# Altium PCB UZ_D_Encoder.PcbDoc (part 2 of 5)
Units mm, origin at the board's own origin, x right, y up, seen from the top; angles counter-clockwise.
Board outline 156.29 x 100 mm, 4 copper layers (Top Layer, GND, VCC, Bottom Layer), stack 0.778 mm thick; 526 components, 375 nets, 1809 pads, 592 vias.
Unrouted connection lines stored in the file: 1.
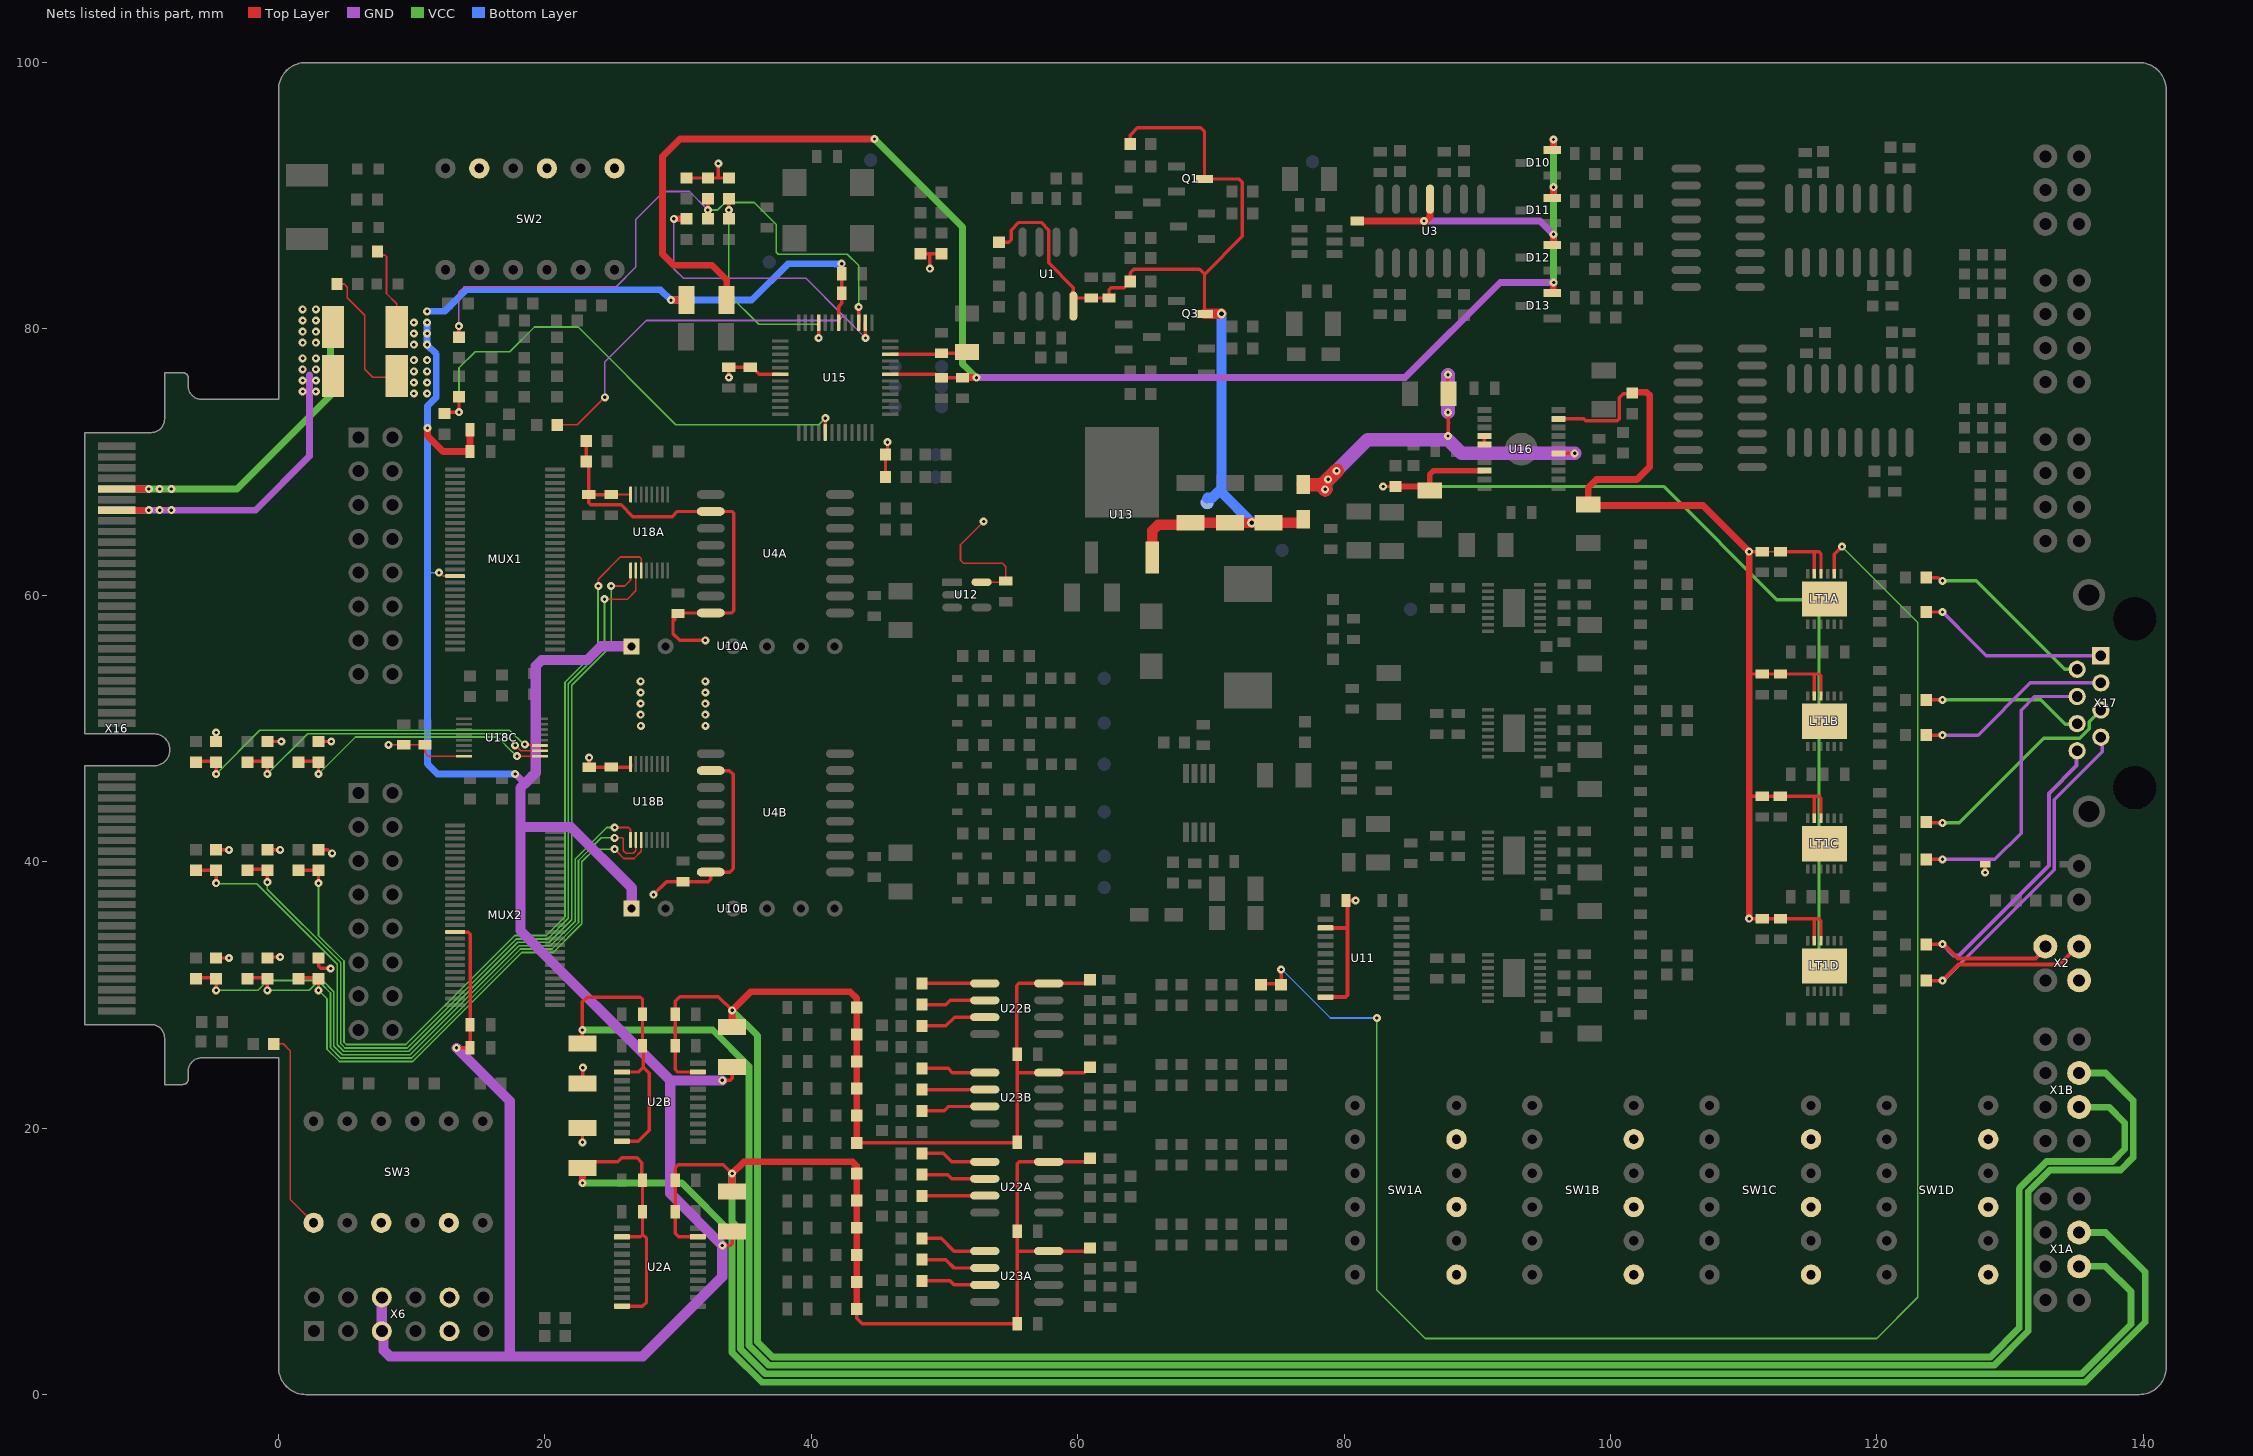
[diagram p4: the nets of this part, all layers, seen from the top]

## Footprints (in the part's own frame and the unit in brackets; to place one, negate y for a bottom-side part, rotate by r counter-clockwise, add the part's x,y. Pads: shape width x height; smd on the part's side, far side on the other; paste and mask are expansions set on the pad) (continued)
HSEC8-150-01-XX-DV-A-BL-CARD [mm]
  rect 0.55x2.8 smd far side mask+0.05: 1(-21.2,-2.4) 3(-20.4,-2.4) 5(-19.6,-2.4) 7(-18.8,-2.4) 9(-18,-2.4) 11(-17.2,-2.4) 13(-16.4,-2.4) 15(-15.6,-2.4) 17(-14.8,-2.4) 19(-14,-2.4) 21(-13.2,-2.4) 23(-12.4,-2.4) 25(-11.6,-2.4) 27(-10.8,-2.4) 29(-10,-2.4) 31(-9.2,-2.4) 33(-8.4,-2.4) 35(-7.6,-2.4) 37(-6.8,-2.4) 39(-6,-2.4) 41(-5.2,-2.4) 43(-4.4,-2.4) 45(-3.6,-2.4) 47(-2.8,-2.4) 49(-2,-2.4) 51(-1.2,-2.4) 53(-0.4,-2.4) 55(3.6,-2.4) 57(4.4,-2.4) 59(5.2,-2.4) 61(6,-2.4) 63(6.8,-2.4) 65(7.6,-2.4) 67(8.4,-2.4) 69(9.2,-2.4) 71(10,-2.4) 73(10.8,-2.4) 75(11.6,-2.4) 77(12.4,-2.4) 79(13.2,-2.4) 81(14,-2.4) 83(14.8,-2.4) 85(15.6,-2.4) 87(16.4,-2.4) 89(17.2,-2.4) 91(18,-2.4) 93(18.8,-2.4) 95(19.6,-2.4) 97(20.4,-2.4) 99(21.2,-2.4)
  rect 0.55x2.8 smd mask+0.05: 2(-21.2,-2.4) 4(-20.4,-2.4) 6(-19.6,-2.4) 8(-18.8,-2.4) 10(-18,-2.4) 12(-17.2,-2.4) 14(-16.4,-2.4) 16(-15.6,-2.4) 18(-14.8,-2.4) 20(-14,-2.4) 22(-13.2,-2.4) 24(-12.4,-2.4) 26(-11.6,-2.4) 28(-10.8,-2.4) 30(-10,-2.4) 32(-9.2,-2.4) 34(-8.4,-2.4) 36(-7.6,-2.4) 38(-6.8,-2.4) 40(-6,-2.4) 42(-5.2,-2.4) 44(-4.4,-2.4) 46(-3.6,-2.4) 48(-2.8,-2.4) 50(-2,-2.4) 52(-1.2,-2.4) 54(-0.4,-2.4) 56(3.6,-2.4) 58(4.4,-2.4) 60(5.2,-2.4) 62(6,-2.4) 64(6.8,-2.4) 66(7.6,-2.4) 68(8.4,-2.4) 70(9.2,-2.4) 72(10,-2.4) 74(10.8,-2.4) 76(11.6,-2.4) 78(12.4,-2.4) 80(13.2,-2.4) 82(14,-2.4) 84(14.8,-2.4) 86(15.6,-2.4) 88(16.4,-2.4) 90(17.2,-2.4) 92(18,-2.4) 94(18.8,-2.4) 96(19.6,-2.4) 98(20.4,-2.4) 100(21.2,-2.4)
LQFP-48_L [mm] "QFP, 48-Leads, Body 7x7mm, Pitch 0.5mm, IPC High Density"
  rrect40% 1.25x0.25 smd: 1(-4.125,2.75) 2(-4.125,2.25) 3(-4.125,1.75) 4(-4.125,1.25) 5(-4.125,0.75) 6(-4.125,0.25) 7(-4.125,-0.25) 8(-4.125,-0.75) 9(-4.125,-1.25) 10(-4.125,-1.75) 11(-4.125,-2.25) 12(-4.125,-2.75) 25(4.125,-2.75) 26(4.125,-2.25) 27(4.125,-1.75) 28(4.125,-1.25) 29(4.125,-0.75) 30(4.125,-0.25) 31(4.125,0.25) 32(4.125,0.75) 33(4.125,1.25) 34(4.125,1.75) 35(4.125,2.25) 36(4.125,2.75)
  rrect40% 0.25x1.25 smd: 13(-2.75,-4.125) 14(-2.25,-4.125) 15(-1.75,-4.125) 16(-1.25,-4.125) 17(-0.75,-4.125) 18(-0.25,-4.125) 19(0.25,-4.125) 20(0.75,-4.125) 21(1.25,-4.125) 22(1.75,-4.125) 23(2.25,-4.125) 24(2.75,-4.125) 37(2.75,4.125) 38(2.25,4.125) 39(1.75,4.125) 40(1.25,4.125) 41(0.75,4.125) 42(0.25,4.125) 43(-0.25,4.125) 44(-0.75,4.125) 45(-1.25,4.125) 46(-1.75,4.125) 47(-2.25,4.125) 48(-2.75,4.125)
  silkscreen extent -4.25,-3.1 3.1,3.55, body extent -4.51,-4.51 4.51,4.51, height 1.5
LTC2311-16 [mm]
  rect 0.9x0.27 smd mask+0.05: 1(-1.95,1.75) 2(-1.95,1.25) 3(-1.95,0.75) 4(-1.95,0.25) 5(-1.95,-0.25) 6(-1.95,-0.75) 7(-1.95,-1.25) 8(-1.95,-1.75) 9(1.95,-1.75) 10(1.95,-1.25) 11(1.95,-0.75) 12(1.95,-0.25) 13(1.95,0.25) 14(1.95,0.75) 15(1.95,1.25) 16(1.95,1.75)
  rect 1.65x2.85 smd: 17(0,0)
  silkscreen extent -2.08,-2.08 1.15,2.57, body extent -1.55,-2.05 1.55,2.05, height 1.1
M16A_N [mm] "SOIC, 16-Leads, Body 9.9x3.9mm, Pitch 1.27mm, IPC Medium Density"
  oval 2.2x0.6 smd: 1(-2.4,4.445) 2(-2.4,3.175) 3(-2.4,1.905) 4(-2.4,0.635) 5(-2.4,-0.635) 6(-2.4,-1.905) 7(-2.4,-3.175) 8(-2.4,-4.445) 9(2.4,-4.445) 10(2.4,-3.175) 11(2.4,-1.905) 12(2.4,-0.635) 13(2.4,0.635) 14(2.4,1.905) 15(2.4,3.175) 16(2.4,4.445)
  silkscreen extent -2.52,-5 0.9,5.42, body extent -2,-5 2,5, height 1.75
PW0020A_L [mm] "SOP, 20-Leads, Body 6.6x4.5mm, Pitch 0.65mm, IPC High Density"
  rrect25% 1.2x0.4 smd: 1(-2.85,2.925) 2(-2.85,2.275) 3(-2.85,1.625) 4(-2.85,0.975) 5(-2.85,0.325) 6(-2.85,-0.325) 7(-2.85,-0.975) 8(-2.85,-1.625) 9(-2.85,-2.275) 10(-2.85,-2.925) 11(2.85,-2.925) 12(2.85,-2.275) 13(2.85,-1.625) 14(2.85,-0.975) 15(2.85,-0.325) 16(2.85,0.325) 17(2.85,0.975) 18(2.85,1.625) 19(2.85,2.275) 20(2.85,2.925)
  silkscreen extent -2.97,-3.3 1.85,3.8, body extent -3.21,-3.25 3.21,3.25, height 1
RES_1206 [mm] "RES 1206"
  rect 2.1x1.2 smd: 1(0,0) 2(0,3)
  silkscreen extent -1.22,-0.76 1.22,3.76, body extent -0.8,-0.08 0.8,3.12, height 0.6
RESC1608X06N [mm] "Chip Resistor, 2-Leads, Body 1,60x0,80mm, IPC Medium Density"
  rect 0.85x0.9 smd: 1(-0.775,0) 2(0.775,0)
  silkscreen extent -0.13,-0.51 0.13,0.51, body extent -0.85,-0.45 0.85,0.45, height 0.55
revisioninfo [mm]
Serial_6.3x6.3mm [mm]
  silkscreen extent -3.3,-3.3 3.3,3.3
SIL-6(7) [mm] "SIP; 7 Leads (1 Absent); Body 19.5 x 6 mm (LxW typ); Pitch 2.54 mm"
  rect 1.2x1.2 hole 0.6: 1(-7.62,0)
  round 1.2 hole 0.6: 2(-5.08,0) 4(0,0) 5(2.54,0) 6(5.08,0) 7(7.62,0)
  silkscreen extent -10.1,-5.62 10.1,1.35, body extent -10.13,-6.47 9.37,1.13, height 10.5
SMT_inductor_1050_Performance [mm] "SMD Shielded Power Inductor, 2-leads, body 10.3x10.5mm"
  rect 3.6x2.7 smd: 1(0,4) 2(0,-4)
  silkscreen extent -5.15,-5.25 5.15,5.25, body extent -5,-5 5,5, height 4.79
SO-16_N [mm] "SOIC, 16-Leads, Body 9.9x3.9mm, Pitch 1.27mm, IPC Medium Density"
  oval 2.2x0.6 smd: 1(-2.4,4.445) 2(-2.4,3.175) 3(-2.4,1.905) 4(-2.4,0.635) 5(-2.4,-0.635) 6(-2.4,-1.905) 7(-2.4,-3.175) 8(-2.4,-4.445) 9(2.4,-4.445) 10(2.4,-3.175) 11(2.4,-1.905) 12(2.4,-0.635) 13(2.4,0.635) 14(2.4,1.905) 15(2.4,3.175) 16(2.4,4.445)
  silkscreen extent -2.53,-5 0.9,5.42, body extent -2,-5 2,5, height 1.75
SOD-323 [mm]
  rect 0.8x0.5 smd: 1(-1.1,0) 2(1.1,0)
  silkscreen extent -1.35,-0.72 1.35,0.73, body extent -1.35,-0.73 1.35,0.72, height 1.1
SOIC8_N [mm] "SOIC, 8-Leads, Body 4.9x3.9mm, Pitch 1.27mm, IPC Medium Density"
  oval 2.2x0.6 smd: 1(2.4,-1.905) 2(2.4,-0.635) 3(2.4,0.635) 4(2.4,1.905) 5(-2.4,1.905) 6(-2.4,0.635) 7(-2.4,-0.635) 8(-2.4,-1.905)
  silkscreen extent -0.9,-2.88 2.52,2.5, body extent -3.1,-2.5 3.1,2.5, height 1.76
SOIC-14 [mm] "SOIC, 14-Leads, Body 8.7x3.9mm, Pitch 1.27mm, IPC Medium Density"
  oval 2.2x0.6 smd: 1(-2.4,3.81) 2(-2.4,2.54) 3(-2.4,1.27) 4(-2.4,0) 5(-2.4,-1.27) 6(-2.4,-2.54) 7(-2.4,-3.81) 8(2.4,-3.81) 9(2.4,-2.54) 10(2.4,-1.27) 11(2.4,0) 12(2.4,1.27) 13(2.4,2.54) 14(2.4,3.81)
  silkscreen extent -2.52,-4.4 0.9,4.79, body extent -3,-4.48 3,4.48, height 1.5
SOIC-16_wide-body [mm] "SOIC, 16-Leads, Body 10.5x7.6mm, Pitch 1.27mm, IPC Low Density"
  oval 2.1x0.65 smd: 1(-4.85,4.445) 2(-4.85,3.175) 3(-4.85,1.905) 4(-4.85,0.635) 5(-4.85,-0.635) 6(-4.85,-1.905) 7(-4.85,-3.175) 8(-4.85,-4.445) 9(4.85,-4.445) 10(4.85,-3.175) 11(4.85,-1.905) 12(4.85,-0.635) 13(4.85,0.635) 14(4.85,1.905) 15(4.85,3.175) 16(4.85,4.445)
  silkscreen extent -4.98,-5.25 3.4,5.44, body extent -5.16,-5.25 5.16,5.25, height 2.65
SOT95P250X110-5N [mm] "SOT23, 5-Leads, Body 2,92x2,50mm, Pitch 0,95mm, IPC Medium Density"
  rect 1.22x0.6 smd: 1(-1.31,0.95) 2(-1.31,0) 3(-1.31,-0.95)
  rect 1.22x0.62 smd: 4(1.31,-0.95) 5(1.31,0.95)
  silkscreen extent -1.43,-1.5 0.5,1.93, body extent -0.87,-1.52 0.87,1.52, height 1.1
SOT95P280X100-6N [mm] "SOT23, 6-Leads, Body 2,90x2,80mm, Pitch 0,95mm, IPC Medium Density"
  rect 1.22x0.6 smd: 1(-1.31,0.95) 2(-1.31,0) 3(-1.31,-0.95) 4(1.31,-0.95) 5(1.31,0) 6(1.31,0.95)
  silkscreen extent -1.43,-1.5 0.5,1.93, body extent -0.87,-1.5 0.87,1.5, height 1
SOT-23 [mm] "SOT23, 3-Leads, Body 2.9x1.3mm, Pitch 0.95mm, Lead Span 2.5mm, IPC Medium Density"
  rect 1.3x0.6 smd: 1(-1.12,0.96) 2(-1.12,-0.94) 3(0.98,0.01)
  silkscreen extent -1.24,-1.49 0.7,1.93, body extent -1.42,-1.5 1.42,1.5, height 1.2
TO-252_M [mm] "D-PAK, 4-Leads, Body 6.1x6.5mm, Pitch 2.28mm, Lead Span 9.7mm, IPC Low Density"
  rect 2.4x1 smd: 1(-4.3,2.28) 3(-4.3,-2.28)
  rect 6.8x5.55 smd: 4(2.1,0)
  silkscreen extent -4.42,-3.3 -1.7,3.45, body extent -1.95,-3.3 4.25,3.3, height 2.4
TP_1mm [mm]
  round 1 smd paste-1: 1(0,0)
  silkscreen extent -0.75,-0.75 0.75,0.75
TSOP65P490X110-8N [mm] "TSOP, 8-Leads, Body 3,00x3,00mm, Pitch 0,65mm, IPC Medium Density"
  rect 1.45x0.45 smd: 1(-2.2,0.975) 2(-2.2,0.325) 3(-2.2,-0.325) 4(-2.2,-0.975) 5(2.2,-0.975) 6(2.2,-0.325) 7(2.2,0.325) 8(2.2,0.975)
  silkscreen extent -2.32,-1.55 1.15,1.88, body extent -1.55,-1.55 1.55,1.55, height 1.1
TSSOP50P810X120-56N [mm] "TSSOP, 56-Leads, Body 14,00x6,10mm, Pitch 0,50mm, IPC Medium Density"
  rrect50% 1.5x0.3 smd: 1(-3.75,6.75) 2(-3.75,6.25) 3(-3.75,5.75) 4(-3.75,5.25) 5(-3.75,4.75) 6(-3.75,4.25) 7(-3.75,3.75) 8(-3.75,3.25) 9(-3.75,2.75) 10(-3.75,2.25) 11(-3.75,1.75) 12(-3.75,1.25) 13(-3.75,0.75) 14(-3.75,0.25) 15(-3.75,-0.25) 16(-3.75,-0.75) 17(-3.75,-1.25) 18(-3.75,-1.75) 19(-3.75,-2.25) 20(-3.75,-2.75) 21(-3.75,-3.25) 22(-3.75,-3.75) 23(-3.75,-4.25) 24(-3.75,-4.75) 25(-3.75,-5.25) 26(-3.75,-5.75) 27(-3.75,-6.25) 28(-3.75,-6.75) 29(3.75,-6.75) 30(3.75,-6.25) 31(3.75,-5.75) 32(3.75,-5.25) 33(3.75,-4.75) 34(3.75,-4.25) 35(3.75,-3.75) 36(3.75,-3.25) 37(3.75,-2.75) 38(3.75,-2.25) 39(3.75,-1.75) 40(3.75,-1.25) 41(3.75,-0.75) 42(3.75,-0.25) 43(3.75,0.25) 44(3.75,0.75) 45(3.75,1.25) 46(3.75,1.75) 47(3.75,2.25) 48(3.75,2.75) 49(3.75,3.25) 50(3.75,3.75) 51(3.75,4.25) 52(3.75,4.75) 53(3.75,5.25) 54(3.75,5.75) 55(3.75,6.25) 56(3.75,6.75)
  silkscreen extent -3.92,-7.05 2.7,7.57, body extent -4.05,-7.05 4.05,7.05, height 1.2
UZ_Logo_tiny [mm] "logo width 2cm"
  silkscreen extent -0.2,0.06 19.75,7.74
"WE-CBF_0805_High Current" [mm] "SMD EMI Suppression Ferrite  Bead, body 2.0mmx1.2mm"
  rect 1.4x1 smd: 1(-1.3,0) 2(1.3,0)
  silkscreen extent -2.25,-0.75 2.25,0.75, body extent -1,-0.6 1,0.6, height 0.93
WL-SMCW_0603 [mm] "SMD Mono-color Chip LED, body 1.6x0.8mm"
  rect 0.8x0.8 smd: 1(-0.8,0) 2(0.8,0)
  silkscreen extent -1.59,-0.7 1.45,0.65, body extent -0.8,-0.4 0.8,0.4, height 0.7

## Part data
BS1A BS1B BS2A BS2B BS4 BS5: library part Bead, "Ferrite bead 6A", Package=1206, Supplier Part Number 1=875-HI1206T500R-10, MF=Laird, MFN=HI1206T500R-10, Supplier 1=Mouser, Supplier 2=Digi-Key, Supplier Part Number 2=240-2412-1-ND
C1A C1B C1C C1D C26A C26B C26C C26D C28A C28B C28C C28D C43 C84 C89: library part Cap_0603, MPN=C0603C105K3R, Voltage=25V
C2A C2B C2C C2D C8A C8B C8C C8D C9A C9B C11A C11B C16 C25A C25B C25C C25D C27A C27B C27C C27D C29A C29B C29C C29D C38 C40 C45 C46 C49 C50 C53A C53B C54A C54B C55A C55B C59A C59B C60A C60B C61A C61B C62A C62B C71 C90 C91 C92 C93 C94 C95 C96A C96B C96C C97A C97B C97C C98 C100 C101 C128A C128B: library part Cap_0603, MPN=885012206071, Supplier Part Number 1=710-885012206071, Voltage=25V, MF=Würth, Supplier 1=Mouser
C3A C3B C3C C3D C5A C5B C5C C5D C6A C6B C6C C6D C31A C31B C31C C31D C33A C33B C33C C33D: library part Cap_0603, MPN=VJ0603A681GXJCW1BC, Supplier Part Number 1=77-VJ0603A681GXJCBC, Voltage=16V, MF=Vishay, Supplier 1=Mouser
C4A C4B C4C C4D C32A C32B C32C C32D: library part Cap_0603, MPN=VJ0603A471GXJPW1BC, Supplier Part Number 1=77-VJ0603A471GXJPBC, Voltage=16V, MF=Vishay, Supplier 1=Mouser
C7A C7B C63A C63B C69A C69B C99 C129A C129B: library part Cap_0603, MPN=885012206071, Supplier Part Number 1=710-885012206071, Voltage=16V, MF=Würth, Supplier 1=Mouser
C10A C10B C52A C52B C64A C64B C65A C65B: library part Cap_0603, Voltage=16V
C12A C12B C13A C13B C14A C14B C34 C112 C115 C117 C125: library part Cap_0603, MPN=885012206065, Supplier Part Number 1=710-885012206065, Voltage=25V, MF=Würth, Supplier 1=Mouser
C15A C15B C22 C23 C24 C30A C30B C30C C30D C36 C37 C44 C48 C87 C88 C114: library part C_1206, "Capacitor 1206", Dielectric=X5R, MPN=GRM319R6YA106KA12D, Package=1206, Supplier Part Number 1=81-GRM319R6YA106KA2D, Tolerance=10%, Voltage=35V, Created=2018_06_25_AGeiger, MF="Murata Electronics", Supplier 1=Mouser
C35: library part Cap_0603, MPN=C0603C752J3GACTU, Supplier Part Number 1=80-C0603C752J3GACTU, Voltage=25V, MF=KEMET, Supplier 1=Mouser
C39: library part C_1206, "Capacitor 1206", Dielectric=C0G, MPN=GRM3195C1H273JA01D, Package=1206, Supplier Part Number 1=81-GRM315C1H273JA01D, Tolerance=5%, Voltage=50V, Created=2018_06_25_AGeiger, MF=Murata, Supplier 1=Mouser
C41 C42 C47 C51: library part C_1206, "Capacitor 1206", Dielectric=X5R, MPN=GRM31CR61A476ME15L, Package=1206, Supplier Part Number 1=81-GRM31CR61A476ME5L, Tolerance=10%, Voltage=10V, Created=2018_06_25_AGeiger, MF="Murata Electronics", Supplier 1=Mouser
C56 C57 C58 C68: library part Cap_1206, "Capacitor", Voltage=50V
C66 C70 C72 C73 C74 C75 C76 C77 C78 C79 C80 C81 C82 C83 C113 C116 C126: library part Cap_0603, Voltage=25V
C118 C119: library part Cap_0603, Voltage=50V
D1 D2: library part "Diode Array", "DIODE ARRAY GP 100V 215MA SOT23", Package=SOT-23-3, Supplier Part Number 1=771-BAV99235, MF=Nexperia, MPN=BAV99,235, Supplier 1=Mouser, Supplier 2=Digi-Key, Supplier Part Number 2=1727-4311-1-ND
D3A D3B D5A D5B D6A D6B D14 D15: library part "Diodo TVS", "TVS DIODE 3.3V 19V SOD323", Package=SOD-323-2, Supplier Part Number 1=652-CDSOD323-T03C, MF=Bourns, MPN=CDSOD323-T03C, Supplier 1=Mouser, Supplier 2=Digi-Key, Supplier Part Number 2=CDSOD323-T03CCT-ND
D4: "Schottky Diode", Forward Voltage=750mV, MPN=BYS12-90-E3/TR3, Package=DO-214AC, Rated Current=1.5A, Reverse Voltage=90V, Supplier Part Number 1=2889144, MF=Vishay, Supplier 1=Farnell, Supplier 2=Mouser, Supplier 3=Digi-Key, Supplier Part Number 2=625-BYS12-90-E3/TR3, Supplier Part Number 3=BYS12-90-E3/GICT-ND
D10 D11 D12 D13: library part "Diode Array Schottky", "DIODE SCHOTTKY 70V DUAL SOT23", Package=SOT-23-3, Supplier Part Number 1=863-SBAS70-04LT1G, MF="ON Semiconductor", MPN=SBAS70-04LT1G, Supplier 1=Mouser, Supplier 2=Digi-Key, Supplier Part Number 2=SBAS70-04LT1GOSCT-ND
F1 F2 F3: library part Littelfuse_PTC_1812, "Resettable PTC Polyfuse SMD, 1812, automotive", Hold Current=1.1A, MPN=miniASMDC110F/24, Package=1812, Resistance=0.18Ohm, Trip Current=2.2A, Voltage=24V, ComponentLink1Description=Datasheet, ComponentLink1URL=https://www.littelfuse.com/~/media/electronics/datasheets/resettable_ptcs/littelfuse_ptc_surface_mount_catalog_datasheet.pdf.pdf, Created=2019_02_10_AGeiger, MF=Littelfuse
L1 L3 L4 L5: library part "WE-CBF, 742792040", "WE-CBF SMD EMI Suppression Ferrite Bead, 0805, 600Ω", MPN=742792040, Supplier Part Number 1=2761567, ComponentLink1Description=Manufacturer, ComponentLink1URL=http://www.we-online.de, ComponentLink2Description=Datasheet, ComponentLink2URL=http://katalog.we-online.de/pbs/datasheet/742792040.pdf, MF="Wurth Elektronik", PublishedDate="Aug 2016", Size=0805, Supplier 1=Farnell, Supplier 2=Mouser, Supplier 3=Digi-Key, Supplier Part Number 2=710-742792040, Supplier Part Number 3=732-1620-1-ND, Type="High Current"
L2: library part B82464G4154M, "SMT power Inductor, 150uH, 320m DRC", Rated Current="0.85 A", Supplier Part Number 1=871-B82464G4154M, DCR=320m, MF="EPCOS / TDK", MPN=B82464G4154M, Supplier 1=Mouser
LED1: library part LED_Blue_0603, "WL-SMCW SMD Mono-color Chip LED Waterclear, size 0603, Blue, 3.2 V, 140°", Emitting Color=Blue, Forward Voltage="3.2 V", Package=0603, Supplier Part Number 1=2322069, ComponentLink1Description=Manufacturer, ComponentLink1URL=http://www.we-online.de, ComponentLink2Description=Datasheet, ComponentLink2URL=http://katalog.we-online.com/led/datasheet/150060BS75000.pdf, Created=2018_09_06_AGeiger, Dominant Wavelength="470 nm", Luminous Intensity="145 mcd", MF="Wuerth Elektronik", MPN=150060BS75000, Peak Wavelength="465 nm", Published Date="Sep. 2017", Size=0603, Supplier 1=Farnell, Supplier 2=Mouser, Supplier 3=Digi-Key, Supplier Part Number 2=710-150060BS75000, Supplier Part Number 3=732-4966-1-ND, Viewing Angle=140°
LED2: library part LED_Red_0603, "WL-SMCW SMD Mono-color Chip LED Waterclear, size 0603, Red, 2 V, 140°", Emitting Color=Red, Forward Voltage="2 V", Package=0603, Supplier Part Number 1=2322071, ComponentLink1Description=Manufacturer, ComponentLink1URL=http://www.we-online.de, ComponentLink2Description=Datasheet, ComponentLink2URL=http://katalog.we-online.com/led/datasheet/150060RS75000.pdf, Created=2018_09_06_AGeiger, Dominant Wavelength="625 nm", Luminous Intensity="250 mcd", MF="Wuerth Elektronik", MPN=150060RS75000, Peak Wavelength="630 nm", Published Date="Sep. 2017", Size=0603, Supplier 1=Farnell, Supplier 2=Mouser, Supplier 3=Digi-Key, Supplier Part Number 2=710-150060RS75000, Supplier Part Number 3=732-4978-1-ND, Viewing Angle=140°
LED3: library part LED_Green_0603, "WL-SMCW SMD Mono-color Chip LED Waterclear, size 0603, Green, 3.2 V, 140°", Emitting Color=Green, Forward Voltage="3.2 V", Package=0603, Supplier Part Number 1=2322070, ComponentLink1Description=Manufacturer, ComponentLink1URL=http://www.we-online.de, ComponentLink2Description=Datasheet, ComponentLink2URL=http://katalog.we-online.com/led/datasheet/150060GS75000.pdf, Created=2018_09_06_AGeiger, Dominant Wavelength="520 nm", Luminous Intensity="430 mcd", MF="Wuerth Elektronik", MPN=150060GS75000, Peak Wavelength="515 nm", Published Date="Sep. 2017", Size=0603, Supplier 1=Farnell, Supplier 2=Mouser, Supplier 3=Digi-Key, Supplier Part Number 2=710-150060GS75000, Supplier Part Number 3=732-4971-1-ND, Viewing Angle=140°
LT1A LT1B LT1C LT1D: library part CMP-09116-000044-1, "INST Amp Single ±18V 12-Pin DFN EP Tube", RoHS Compliant=Yes
MUX1 MUX2: "Multiplexer/Demultiplexer Bus Switch 1-Element CMOS 36-IN 56-Pin TSSOP Tube", Case/Package=TSSOP, Manufacturer="Texas Instruments", Manufacturer Part Number=SN74CBT16214CDGG, RoHS=Yes, RoHS Compliant=Yes, Supplier 1="Arrow Electronics", Supplier Part Number 1=SN74CBT16214CDGG
Q1 Q3: library part "NPN Transistor BC846", "NPN Bipolar Transistor", Package=SOT-23-3, Supplier Part Number 1=863-BC846BLT3G, MF="ON Semiconductor", MPN=BC846BLT3G, Supplier 1=Mouser, Supplier 2=Digi-Key, Supplier Part Number 2=BC846BLT3GOSCT-ND
Q2 Q4: library part "PNP Transistor BC846", "PNP Bipolar Transistor", Package=SOT-23-3, Supplier Part Number 1=771-BC856B-T/R, MF=Nexperia, MPN=BC856B,215, Supplier 1=Mouser, Supplier 2=Digi-Key, Supplier Part Number 2=1727-2925-1-ND
R1A R1B R2A R2B R3A R3B R4A R4B R5A R5B R7A R7B R8A R8B R18A R18B R24A R24B R34A R34B R57 R59 R118 R119 R120 R121: library part R_0603, MPN=RC0603FR-071KL, Supplier Part Number 1=603-RC0603FR-071KL, MF=Yageo, Supplier 1=Mouser
R6A R6B R6C R6D R9A R9B R9C R9D R45A R45B R45C R45D R46A R46B R46C R46D: library part R_0603, MPN=RC0603FR-0724R9L, Supplier Part Number 1=603-RC0603FR-0724R9L, MF=Yageo, Supplier 1=Mouser
R10A R10B R10C R10D R11A R11B R12A R12B R12C R12D R13A R13B R13C R13D R14A R14B R15A R15B R16A R16B R19A R19B R19C R19D R20A R20B R20C R20D R21A R21B R22A R22B R22C R22D R23 R25A R25B R26A R26B R27A R27B R28A R28B R29 R30 R32 R33 R35A R35B R36 R38 R39 R40 R41 R42 R43 R44 R47A R47B R47C R47D R48 R51 R52 R53 R54 R60 R61 R64 R65 R66A R66B R67A R67B R74A R74B R86 R87 R88 R96 R115 R117 R122 R123 R124 R125 R126 R127 R128 R129 R131 R132 R133 R134 R135 R136 R137 R138 R139 R140 R141 R142 R143 R144 R145 R146 R147 R148 R161 R162 R163 R164 R167 R168 R169 R170 R171 R172 R173 R174: library part R_0603, MPN=CRCW06030000Z0EAC, Supplier Part Number 1=71-CRCW06030000Z0EAC, MF=Vishay, Supplier 1=Mouser
R17A R17B R31A R31B R37 R49 R50 R62 R63 R68A R68B R69A R69B R70A R70B R75A R75B R76A R76B R77A R77B R78 R79 R80 R81 R82 R83 R84 R85 R93A R93B R94A R94B R95A R95B R97 R98 R130 R150 R151: library part R_0603
  R49 R50 R62 R63: MF=Vishay, Supplier 1=Mouser
  R130: Supplier 1=Mouser
R55: library part R_0603, MPN=CRCW0603162KFKEA, Supplier Part Number 1=71-CRCW0603-162K-E3, MF=Vishay, Supplier 1=Mouser
R56: library part R_0603, MPN=RC0603FR-0775KL, Supplier Part Number 1=603-RC0603FR-0775KL, MF=Yageo, Supplier 1=Mouser
R58: library part R_0603, MPN=RC0603FR-07133KL, Supplier Part Number 1=603-RC0603FR-07133KL, MF=Yageo, Supplier 1=Mouser
R71A R71B R72A R72B R73A R73B R89A R89B R90A R90B R91A R91B: library part R_config, "Solder 0603 resistor/jumper between pads 1 and 2 for standard function. Solter resistor between pads 2 and 3 for alternative function", MPN=MCWR06X1002FTL, Package=0603, Power=100mW, Supplier Part Number 1=2447230, Tolerance=1%, Voltage=50V, Created=2018_09_04_AGeiger, MF=Multicomp, Supplier 1=Farnell
R92A R92B: library part "Res Pack3", "Isolated Resistor Network", Code_IPC=SOIC127P600-16, Code_JEDEC=MS-012-AC, LatestRevisionDate=29-May-2009, LatestRevisionNote="IPC-7351 Footprint Added.", PackageDescription="16-Pin Small Outline Integrated Circuit 1.27 mm Pitch", PackageReference=SO-16, Published=24-Mar-1999, Publisher="Altium Limited"
R103 R104 R105 R106 R107 R108 R109 R110 R111 R112 R113 R114 R116 R149: library part R_0603, MPN=CRCW060324K9FKEAC, Package=0603, Supplier Part Number 1=71-CRCW060324K9FKEAC, MF="Vishay / Dale", Supplier 1=Mouser
Serial: library part SerialNumber, Created=2018_09_18_AGeiger
SW1A SW1B SW1C SW1D SW2 SW3: "Switch DIP OFF ON SPDT 6 Raised Slide 0.05A 24VDC PC Pins 2.54mm Thru-Hole Tube", Current Rating=50mA, Manufacturer=CTS, Max Operating Temperature=85°C, Max Voltage Rating (DC)=24V, Min Operating Temperature=-55°C, Package Quantity=15, Supplier Part Number 1=206-126-ND, Actuator Type="Slide (Standard)", Body Material=Plastic, Category="DIP Switches", ComponentLink1Description=https://datasheet.ciiva.com/8677/206-208-8677008.pdf?src-supplier=Avnet, ComponentLink1URL=https://datasheet.ciiva.com/8677/206-208-8677008.pdf?src-supplier=Avnet, ComponentLink2Description=https://datasheet.ciiva.com/12451/206-208-11732-12451385.pdf?src-supplier=Mouser, ComponentLink2URL=https://datasheet.ciiva.com/12451/206-208-11732-12451385.pdf?src-supplier=Mouser, Contact Plating=Gold, Electrical Life=10000Cycles, Length=1.286inch, Manufacturer Part Number=206-126, Mount="Through Hole", Number of Positions=6, Packaging=Rail/Tube, Pitch=0.1inch, Pricing 1="1005=1,10898 (USD)", Radiation Hardening=No, RoHS=Yes, RoHS Compliant=Yes, Series=206, Supplier 1=Digi-Key, Terminal Pitch=2.54mm, Termination="PC Pin", Throw Configuration=SPDT, Voltage Rating (DC)=24V, Washable=No
TP1A TP1B TP2A TP2B TP3A TP3B TP7 TP8 TP9 TP10 TP11 TP12 TP13 TP14 TP15 TP16 TP17 TP18 TP19 TP21 TP22: library part TP_1mm, "Testpoint 1mm", Created=2018_06_25_AGeiger
U1: library part AD8662, "IC OPAMP GP 2 CIRCUIT 14SOIC", Package=SOIC-8, Supplier Part Number 1=584-AD8662ARZ, MF="Analog Devices", MPN=AD8662ARZ, Supplier 1=Mouser, Supplier 2=Digi-Key, Supplier Part Number 2=AD8662ARZ-ND
U2A U2B U11: library part CMP-2000-07337-1, "TXB0108 8-Bit Bidirectional Voltage-Level Translator with Auto-Direction Sensing and / +/- 15-kV ESD Protection, 1.2 to 3.6 V, -40 to 85 degC, 20-Pin TSSOP (PW), Green (RoHS & no Sb/Br), Tape and Reel", Manufacturer="Texas Instruments", Operating Temperature=-40°C~85°C, Package / Case="20-TSSOP(0.173\",4.40mmWidth)", Package Description="20-Pin Small Outline Package Integrated Circuit, Body 6.5 x 4.4 mm, Pitch 0.65 mm", Package Reference=PW20, Package Version="4040064-5/G, 02/2011", Standard Package=1, Supplier Device Package=20-TSSOP, Voltage - Supply=1.2V~3.6V,1.65V~5.5V, Category=IntegratedCircuits(ICs), Data Rate=100Mbps, Datasheet URL=http://www.ti.com/general/docs/lit/getliterature.tsp?genericPartNumber=TXB0108&fileType=pdf, Datasheet Version="Rev. F, 12/2014", Differential - Input=Output:No/No, Dynamic Catalog=TXBSeries, Family=Logic-Translators, Input Type=Logic, Logic Function=Translator,Bidirectional, Manufacturer URL=http://www.ti.com/, Mounting Technology=SurfaceMount, Number of Bits=8, Number of Channels=8, Number of Outputs/Channel=1, Other Names=296-21527-6, Output Type=Logic, Package URL=http://www.ti.com/litv/pdf/mpds362, Packaging=Digi-Reel®, Product Training Modules=VoltageLevelTranslation, Propagation Delay (Max)=4ns, Series=-
U3: library part LT1639, "IC OPAMP GP 4 CIRCUIT 14SO", Package=SO-14, Supplier Part Number 1=584-LT1639HS#PBF, MF="Analog Devices", MPN=LT1639HS#PBF, Supplier 1=Mouser, Supplier 2=Digikey, Supplier Part Number 2=LT1639HS#PBF-ND
U4A U4B: library part "TI ISO7230", "High-Speed, Triple-Channel Digital Isolator", Supplier Part Number 1=595-ISO7230CDWR, Supplier 1=Mouser
U5A U5B: library part DS26LS32CM, "Quad Differential Line Receiver, 16-pin Narrow SOIC", Manufacturer=TI, PartNumber=AM26LS32AIDR, Supplier Part Number 1=595-AM26LS32AIDR, ComponentLink3Description="M16A Package Page", ComponentLink3URL=http://www.national.com/packaging/folders/m16a.html, CompType="Interface IC", PinCount=16, Published=4-Dec-2008, Supplier 1=Mouser
U6A U6B U6C U6D: library part LTC2311-16, "16 Bit SAR ADC, 5MSps", MPN=LTC2311CMSE-16#PBF, Package=MSOP-16, Supplier Part Number 1=584-C2311CMSE-16PBF, MF="Analog Devices", Supplier 1=Mouser, Supplier 2=Digi-Key, Supplier Part Number 2=LTC2311CMSE-16#PBF-ND
U7: "Buck Converter, 9-75Vin, 2.5-73Vout", MPN=LM5007MM/NOPB, Package=VSSOP-8, Supplier Part Number 1=9779345, MF="Texas Instruments", Supplier 1=Farnell, Supplier 2=Mouser, Supplier 3=Digi-Key, Supplier Part Number 2=926-LM5007MM/NOPB, Supplier Part Number 3=LM5007MM/NOPBCT-ND
U8: "150mA, 2.5V LDO", MPN=TLV74125PDBVR, Package=SOT-23-5, Supplier Part Number 1=595-TLV74125PDBVR, MF="Texas Instruments", Supplier 1=Mouser, Supplier 2=Digi-Key, Supplier Part Number 2=296-49999-1-ND
U9: MPN=LT6654BIS6-5#TRMPBF, Package=TSOT-23-6, Supplier Part Number 1=2761960, MF="Analog Devices", Supplier 1=Farnell, Supplier 2=Mouser, Supplier 3=Digi-Key, Supplier Part Number 2=584-6654BIS65TRMPBF, Supplier Part Number 3=LT6654BIS6-5#TRMPBF-ND
U10A U10B: library part "TRACO TMH 0505S", "5V/5V DC-DC Isolation Converter"
U12: library part CMP-0859-00119-4, "IC GATE AND 1CH 2-INP SOT23-5", Case/Package=SOT-23-5, High Level Output Current=-8mA, Low Level Output Current=8mA, Max Operating Temperature=125°C, Max Supply Voltage=5.5V, Min Operating Temperature=-40°C, Min Supply Voltage=1.6V, Package Quantity=3000, Quiescent Current=1uA, Height=1.45mm, Lead Free="Lead Free", Length=3.05mm, Logic Function="AND GATE", Mount="Surface Mount", Number of Bits=1, Number of Circuits=1, Number of Gates=1, Number of Input Lines=2, Number of Inputs=2, Number of Pins=5, Packaging="Tape and Reel", Propagation Delay=7ns, Radiation Hardening=No, RoHS Compliant=Yes, Weight=0.000557oz, Width=1.75mm